# Altium PCB Pi4GPU_v1.PcbDoc (part 4 of 4)
Units mm, origin at the board's own origin, x right, y up, seen from the top; angles counter-clockwise.
Board outline 161.8 x 100 mm, 4 copper layers (L1 [TOP], L2, L3, L4 [BOT]), stack 1.548 mm thick; 285 components, 169 nets, 1067 pads, 1076 vias.
Unrouted connection lines stored in the file: 241.
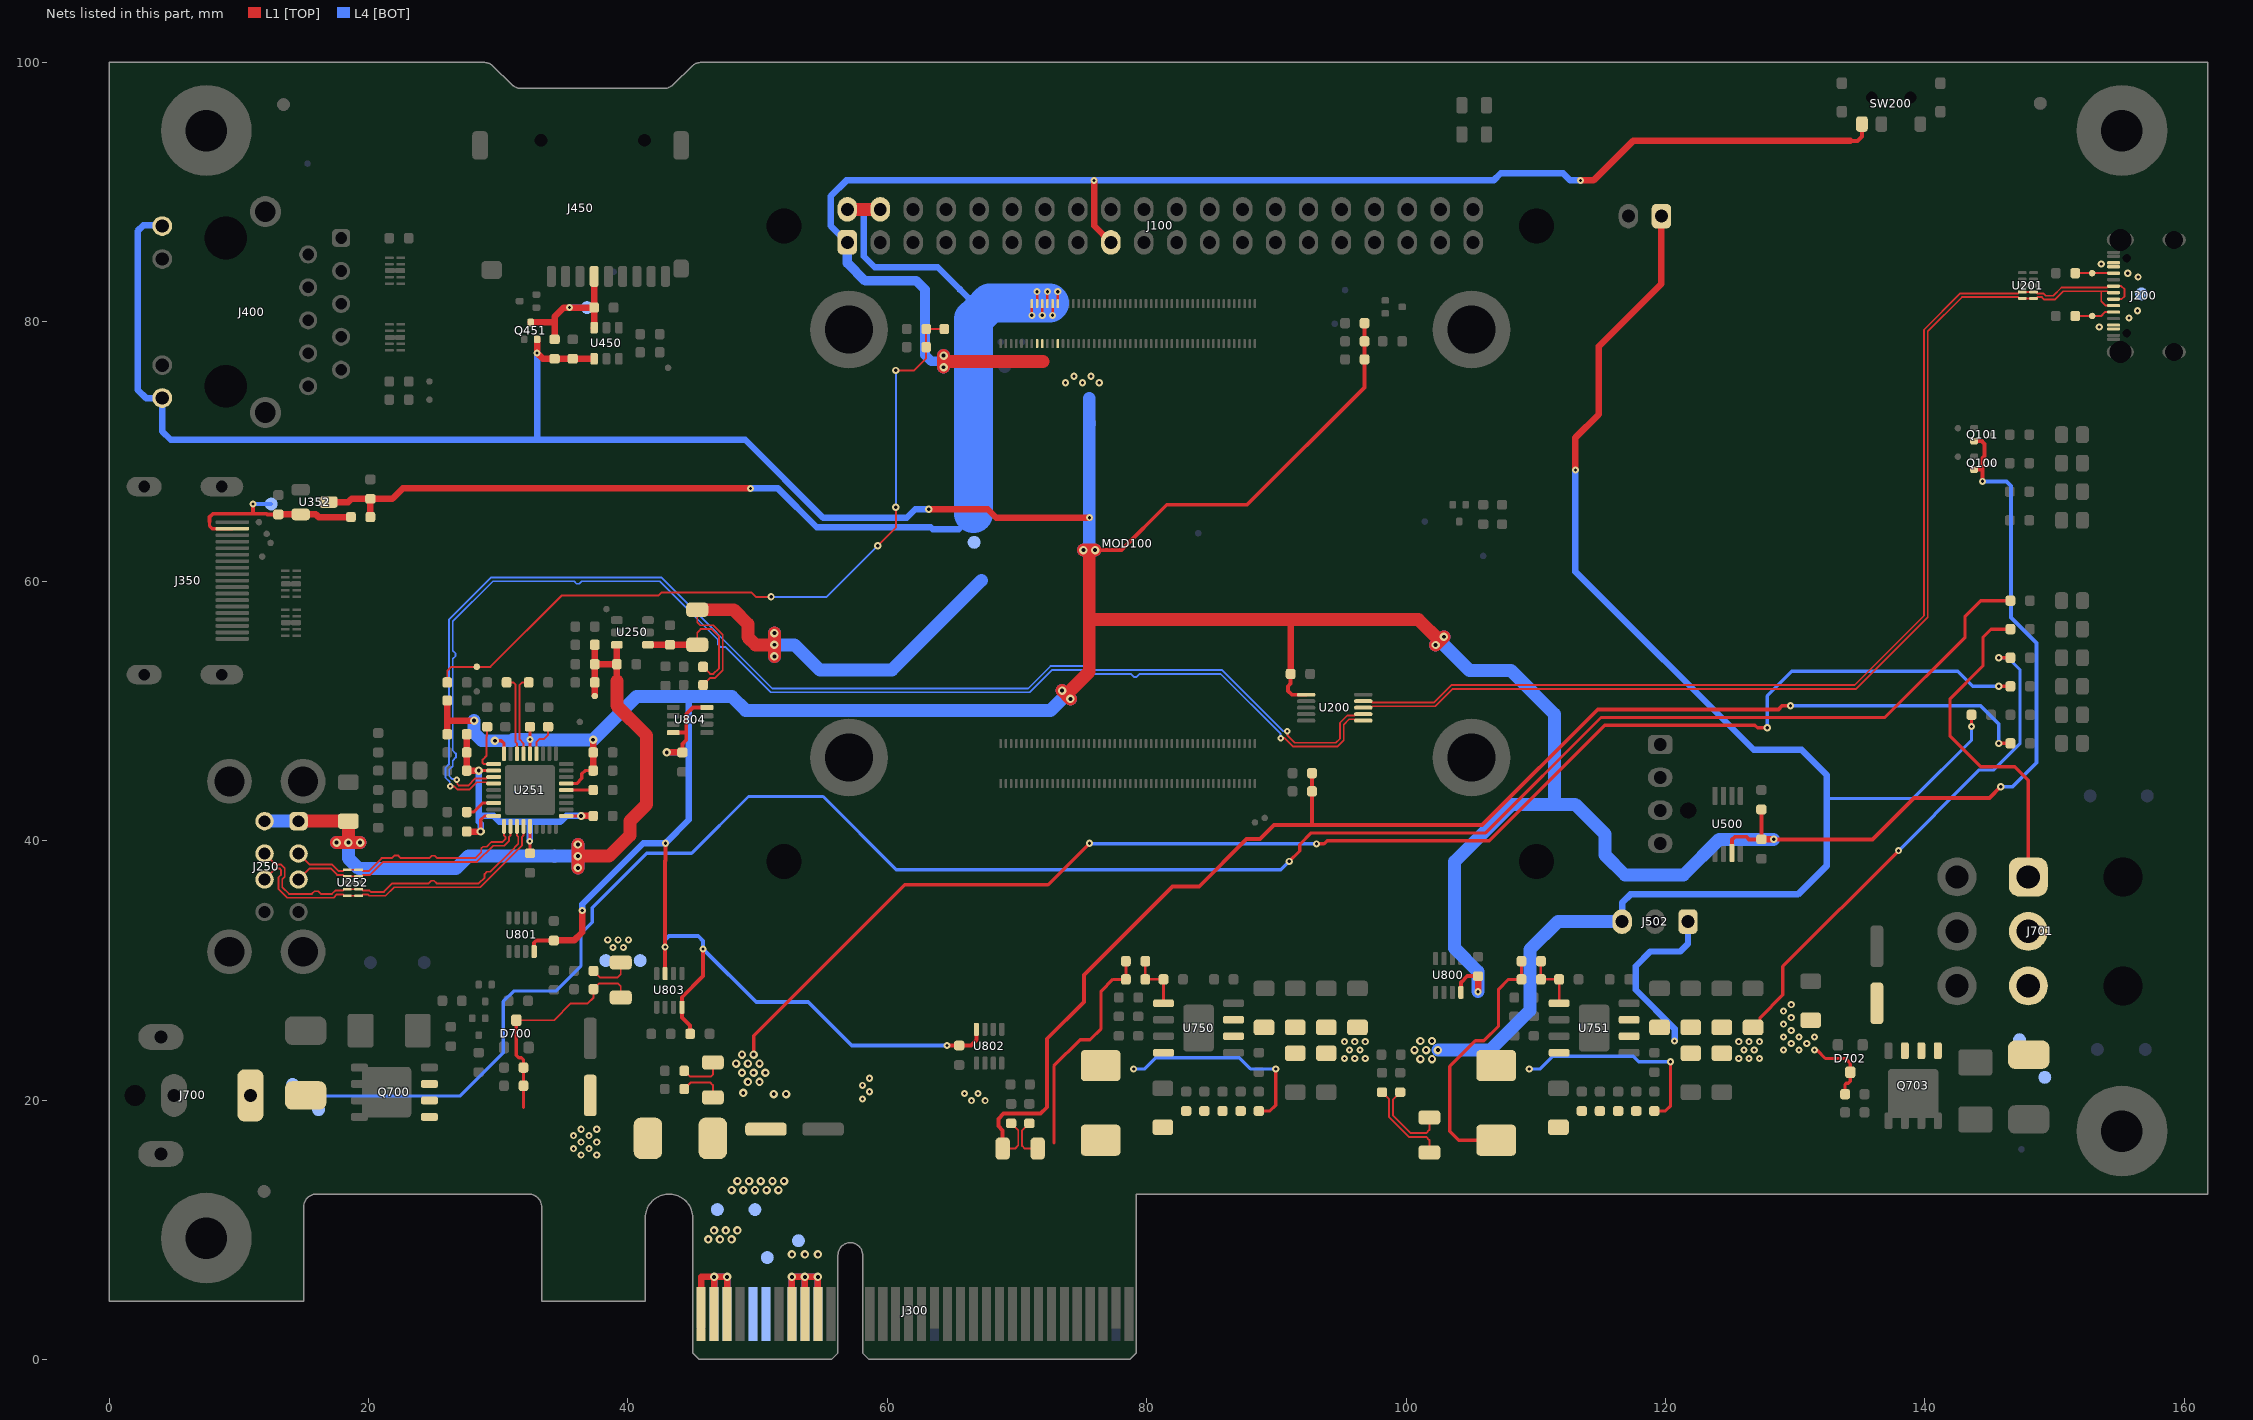
[diagram p6: the nets of this part, all layers, seen from the top]

## Via types
v1: diameter 0.55, hole 0.25, L1 [TOP] to L4 [BOT], 764 vias
v2: diameter 0.65, hole 0.3, L1 [TOP] to L4 [BOT], 174 vias
v3: diameter 0.5, hole 0.2, L1 [TOP] to L4 [BOT], 138 vias

## Nets (pads, with @x,y where several pads share a name; then routed paths per layer and width w, separated by ;. In a path a pad name is that pad's centre, name@x,y a point inside that pad or via, vN(x,y) a via of type N, cw(c..) or ccw(c..) an arc to the next point about the centre after c; other vN are vias at no path point) (continued)
PP3300: C200.2 C261.2 C262.2 C263.2 C450.2 C500.2 C802.2 C803.2 C806.2 C807.2 C809.2 F250.1 J100.1 J100.17 J400.11 J400.14 MOD100.78 MOD100.84 MOD100.86 Q100.2 Q101.2 Q451.2 R101.2 R102.2 R104.2 R257.2 R450.2 R500.2 SW200.3 TP108.1 TP112.1 U200.1 U251.15 U251.23 U251.27 U450.1 U500.3 U800.4 U801.4 U802.4 U803.4 U803.7 U804.4 U804.8 | length 585.1
  L1 [TOP] w0.25: v2(29.75,47.7) 30.25,47.7 30.45,47.5 U251.27@30.45,46.7 ; U251.23@32.45,46.7 v1(32.45,47.788) C262.2@32.45,48.775 ; U251.15@35.25,44.4 36.05,44.4 36.45,44.8 36.45,45.15 36.7,45.4 C263.2@37.325,45.4
  L1 [TOP] w0.3: U801.4@32.775,31.45 32.775,32.125 32.95,32.3 C803.2@34.3,32.3 ; U803.7@42.875,29.75 v1(42.875,31.8) 42.875,38.425 42.9,38.45 v1(42.9,39.8) ; U804.4@43.5,48.325 44.5,48.325 ; C809.2@44.2,46.8 44.2,47.45 44.5,47.75 44.5,48.325 ; C807.2@44.8,25.1 44.8,25.748 44.175,26.373 U803.4@44.175,27.15 44.175,27.925 45.8,29.55 v1(45.8,31.65) ; U804.8@46.1,50.275 45.025,50.275 44.5,49.75 44.5,48.325 ; v1(64.6,24.2) C806.2@65.55,24.2 66.45,24.2 66.875,24.625 U802.4@66.875,25.45 ; v2(76.025,62.4) 78.05,62.4 81.55,65.9 87.75,65.9 96.8,74.95 R104.2@96.8,77.1 R101.2@96.8,78.5 R102.2@96.8,79.9 ; C200.2@91.1,52.85 91.1,52.1 90.9,51.9 90.9,51.55 91.2,51.25 U200.1@92.3,51.25 ; U800.4@104.225,28.3 104.225,29.059 104.716,29.55 C802.2@105.55,29.55 ; U500.3@125.125,39.05 125.125,40.075 125.35,40.3 126.25,40.3 126.45,40.1 C500.2@127.4,40.1 R500.2@127.4,42.4 ; v1(128.35,40.1) 135.965,40.1 139.165,43.3 145,43.3 v1(145.85,44.15) ; 134.25,93.95 134.8,93.95 135.15,94.3 SW200.3@135.15,95.25 ; Q100.2@143.8,68.6 144.43,68.6 144.45,68.58 ; Q101.2@143.8,70.8 144.4,70.8 144.499,70.701 144.6,70.6 144.6,69.66 144.45,69.51 144.45,68.58 ; v1(144.45,67.7) 144.45,68.58
  L1 [TOP] w0.5: F250.1@26.075,48.2 26.075,49.25 ; R257.2@26.075,50.8 26.075,49.25 ; v2(28.15,49.25) 26.075,49.25 ; Q451.2@33,78.65 v1(33,77.6) 33.45,77.15 R450.2@34.35,77.15 C450.2@35.75,77.15 U450.1@37.4,77.15 ; C803.2@34.3,32.3 35.85,32.3 36.479,32.929 v1(36.479,34.617) ; C263.2@37.325,45.4 C261.2@37.325,46.8 v2(37.325,47.775) ; v2(43,46.8) C809.2@44.2,46.8 ; v1(63.2,65.55) 67.75,65.55 68.4,64.9 v1(75.6,64.9) ; v1(75.95,90.9) 75.95,87.415 J100.17@77.24,86.125 ; C200.2@91.1,52.85 91.1,57.05 ; v1(105.55,28.35) C802.2@105.55,29.55 ; v1(113.45,90.9) 114.45,90.9 117.5,93.95 134.25,93.95 ; C500.2@127.4,40.1 v1(128.35,40.1)
  L1 [TOP] w1: v2(64.35,76.5) v2(64.35,77.4) ; 64.35,76.95 72,76.95 ; v2(73.482,51.568) v2(74.118,50.932) ; 73.8,51.25 75.575,53.025 75.575,62.4 ; v2(75.125,62.4) v2(76.025,62.4) ; 75.6,57.05 91.1,57.05 100.95,57.05 102.6,55.4 ; v2(102.282,55.082) v2(102.918,55.718)
  L4 [BOT] w0.3: v1(42.875,31.8) 42.875,32.34 43.185,32.65 45.425,32.65 45.8,32.275 v1(45.8,31.65) 49.9,27.55 53.91,27.55 57.26,24.2 v1(64.6,24.2) ; v1(144.45,67.7) 146.3,67.7 146.65,67.35 146.65,57.2 148.6,55.25 148.6,46 146.75,44.15 v1(145.85,44.15)
  L4 [BOT] w0.5: J400.11@4.1,87.38 4.03,87.45 2.65,87.45 2.2,87 2.2,74.77 2.85,74.12 J400.14@4.1,74.12 4.1,71.55 4.75,70.9 33,70.9 ; v1(32.45,47.788) v1@32.463,47.775 ; v1(33,77.6) 33,70.9 ; v1(36.479,34.617) 36.479,35.084 41.195,39.8 v1(42.9,39.8) 44.7,41.6 44.7,46.8 ; v2(43,46.8) 44.7,46.8 ; 44.7,51.1 44.7,46.8 ; J100.1@56.92,86.125 55.65,87.395 55.65,89.7 56.85,90.9 v1(75.95,90.9) 106.75,90.9 107.3,91.45 112.104,91.45 112.654,90.9 v1(113.45,90.9) ; v1(63.2,65.55) 62.15,65.55 61.5,64.9 55.05,64.9 49.05,70.9 33,70.9 ; 75.575,74.075 75.6,74.1
  L4 [BOT] w0.75: J100.1@56.92,86.125 56.92,84.537 58.297,83.16 62.242,83.16 62.912,82.489 62.912,77.438 63.4,76.95 64.35,76.95
  L4 [BOT] w1: v2(28.15,49.25) 28.15,48.3 28.75,47.7 v2(29.75,47.7) 31.05,47.7 31.138,47.788 v1(32.45,47.788) ; v1@32.463,47.775 v2(37.325,47.775) 40.65,51.1 44.7,51.1 48.036,51.1 49.086,50.05 72.6,50.05 73.8,51.25 ; v2(64.35,76.5) v2(64.35,77.4) ; v2(73.482,51.568) v2(74.118,50.932) ; v2(75.125,62.4) v2(76.025,62.4) ; 75.575,62.4 TP108.1@75.575,68.237 TP112.1@75.575,72.187 75.575,74.075 ; v2(102.282,55.082) v2(102.918,55.718) ; 102.6,55.4 104.9,53.1 108.1,53.1 111.45,49.75 111.45,42.8 ; v1(105.55,28.35) 105.55,29.9 103.75,31.7 103.75,38.385 108.165,42.8 111.45,42.8 ; v1(128.35,40.1) 124.15,40.1 121.4,37.35 116.881,37.35 115.35,38.881 115.35,40.495 113.045,42.8 111.45,42.8
  other v1: 73.75,75.3 75.05,75.3 76.35,75.3 74.4,75.8 75.7,75.8
PP3300_AN: C256.2 C257.2 C258.2 C259.2 C260.2 F250.2 U251.5 U251.10 U251.29 U251.36 | length 26.7
  L1 [TOP] w0.25: v2(28.5,45.4) U251.29@29.65,45.4 ; v2(28.65,40.7) 28.65,41.604 28.946,41.9 U251.36@29.65,41.9 ; C259.2@32.45,39.025 U251.5@32.45,41.1 ; U251.10@35.25,41.9 v2(36.4,41.9)
  L1 [TOP] w0.5: C260.2@27.575,40.7 v2(28.65,40.7) ; F250.2@27.575,48.2 C256.2@27.575,46.8 C257.2@27.575,45.4 v2(28.5,45.4) ; v2(36.4,41.9) C258.2@37.325,41.9
  L4 [BOT] w0.5: v2(28.5,45.4) 28.5,41.9 ; v2(28.65,40.7) 28.65,41.3 28.5,41.45 28.5,41.9 ; v3(32.45,39.95) 32.45,41.45 ; v2(36.4,41.9) 35.25,41.9 34.8,41.45 32.45,41.45 ; 28.5,41.9 29.65,41.9 30.1,41.45 32.45,41.45
PP3300_PCIE: J300.A05 J300.A06 J300.A08 J300.A09 J300.A10 J300.B08 J300.B09 J300.B10 R300.1 R301.1 R751.2 R806.2 R809.2 TP752.1 TP754.1 | length 128.5
  L1 [TOP] w0.15: R806.2@68.9,16.25 69.85,16.25 70.1,16.5 70.1,17.65 R809.2@69.55,18.2
  L1 [TOP] w0.25: v1(145.7,47.5) R751.2@146.6,47.5
  L1 [TOP] w0.3: R806.2@68.9,16.25 68.9,17.649 68.566,17.983 68.566,18.547 68.969,18.95 71.83,18.95 72.319,19.44 72.319,24.726 75.158,27.564 75.158,29.626 82.001,36.469 84.053,36.469 87.703,40.12 88.727,40.12 89.807,41.2 92.75,41.2 ; R301.1@92.75,45.2 R300.1@92.75,43.8 92.75,41.2 ; v1(129.65,50.4) 129,50.4 128.718,50.118 114.783,50.118 105.864,41.2 92.75,41.2
  L1 [TOP] w0.5: J300.B08@52.65,3.5 v2(52.65,6.365) v2(53.65,6.365) ; J300.B09@53.65,3.5 v2(53.65,6.365) ; J300.B10@54.65,3.5 v2(54.65,6.365) v2(53.65,6.365)
  L4 [BOT] w0.3: v1(129.65,50.4) 144.3,50.4 145.7,49 v1(145.7,47.5)
  L4 [BOT] w0.5: J300.A08@52.65,3.5 v2(52.65,6.365) v2(53.65,6.365) ; J300.A09@53.65,3.5 v2(53.65,6.365) ; J300.A10@54.65,3.5 v2(54.65,6.365) v2(53.65,6.365)
  other v1: 66.5,19.95 67.55,19.95 58.085,20.082 65.95,20.5 67,20.5 58.635,20.632 58.085,21.132 58.635,21.682
  other v2: 52.65,8.1 53.65,8.1 54.65,8.1
PP3300_PCIE_FB: C754.1 R752.1 R754.2 U750.5 | length 4.6
  L1 [TOP] w0.2: C754.1@79.9,30.7 R752.1@79.9,29.3 R754.2@81.3,29.3 U750.5@81.3,27.455
PP3300_PCIE_R: C754.2 C755.2 C756.2 C757.2 C758.2 C759.2 L750.2 R752.2 R806.1 R808.2 | length 20.6
  L1 [TOP] w0.15: R808.2@70.95,18.2 70.4,17.65 70.4,16.467 70.617,16.25 R806.1@71.6,16.25
  L1 [TOP] w0.25: 72.85,16.7 72.85,22.627 74.875,24.652 75.632,24.652 76.485,25.505 76.485,28.385 77.4,29.3 R752.2@78.4,29.3 C754.2@78.4,30.7
PP3300_PCIE_SW: L750.1 R750.2 U750.8 | length 15.9
  L1 [TOP] w0.25: R750.2@88.65,19.15 89.5,19.15 89.95,19.6 v1(89.95,22.4)
  L4 [BOT] w0.25: v1(79,22.4) 79.85,22.4 80.7,23.25 87.15,23.25 88,22.4 v1(89.95,22.4)
PP3300_SD: C451.2 J450.4 Q451.3 R450.1 TP451.1 U450.6 | length 12.3
  L1 [TOP] w0.5: Q451.3@32.5,79.95 34.3,79.95 34.35,79.9 ; R450.1@34.35,78.65 34.35,79.9 ; U450.6@37.35,79.5 U450.6@37.4,79.55 C451.2@37.4,81.1 ; J450.4@37.4,83.5 C451.2@37.4,81.1 ; 34.35,79.9 34.35,80.4 35.05,81.1 C451.2@37.4,81.1
  L4 [BOT] w0.5: v1(35.5,81.1) TP451.1@36.85,81.1
PP5000: C350.2 J100.2 J100.4 J500.1 J502.3 MOD100.77 MOD100.79 MOD100.81 MOD100.83 MOD100.85 MOD100.87 R350.2 R756.2 R800.2 R803.2 R812.1 R813.2 TP107.1 TP750.1 TP751.1 U352.3 | length 261
  L1 [TOP] w0.15: R812.1@45.35,57.8 45.35,56.85 45.596,56.604 46.596,56.604 47.317,55.883 47.317,53.142 46.724,52.55 46.35,52.55 R813.2@45.8,52 ; R803.2@99.55,20.6 99,20.05 99,18.8 100.35,17.45 101.549,17.45 101.8,17.701 R800.2@101.8,18.65
  L1 [TOP] w0.2: v1(71.15,80.5) MOD100.87@71.15,81.4 ; MOD100.85@71.55,81.4 v1(71.55,82.325) v1@71.55,82.35 ; v1(71.95,80.5) MOD100.83@71.95,81.4 ; MOD100.81@72.35,81.4 v1(72.35,82.325) v1@72.35,82.35 ; v1(72.75,80.5) MOD100.79@72.75,81.4 ; MOD100.77@73.15,81.4 v1(73.15,82.325) v1@73.15,82.35
  L1 [TOP] w0.25: v1(143.6,48.8) R756.2@143.6,49.7
  L1 [TOP] w0.5: U352.3@16.925,66.1 18.45,66.1 18.7,66.35 C350.2@20.15,66.35 ; R350.2@20.15,64.95 C350.2@20.15,66.35 ; v1(49.45,67.15) 22.65,67.15 21.85,66.35 C350.2@20.15,66.35 ; v1(113.064,68.583) 113.064,71.077 114.85,72.863 114.85,78.1 119.69,82.94 J500.1@119.69,88.15
  L1 [TOP] w1: R812.1@45.35,57.8 48.154,57.8 49.251,56.703 49.251,55.686 49.837,55.1 v2(51.3,55.1) ; v2(51.3,54.2) v2(51.3,55.1) ; v2(51.3,56) v2(51.3,55.1) ; J100.2@56.92,88.675 J100.4@59.46,88.675
  L4 [BOT] w0.25: 132.45,43.25 139.123,43.25 143.6,47.727 v1(143.6,48.8)
  L4 [BOT] w0.5: v1(49.45,67.15) 51.576,67.15 54.556,64.17 63.35,64.17 63.52,64 65.5,64 ; 58.19,88.675 58.19,85.055 59.041,84.204 63.903,84.204 TP107.1@65.591,82.516 67.279,80.829 ; v1(113.064,68.583) 113.064,60.736 126.8,47 130.5,47 132.45,45.05 132.45,43.25 132.45,38.08 130.22,35.85 117.3,35.85 116.66,35.21 J502.3@116.66,33.75
  L4 [BOT] w1: v2(51.3,54.2) v2(51.3,55.1) ; v2(51.3,56) v2(51.3,55.1) ; J100.2@56.92,88.675 58.19,88.675 J100.4@59.46,88.675 ; 67.25,60.05 60.35,53.15 54.8,53.15 52.85,55.1 v2(51.3,55.1) ; v2(102.45,23.85) 106.5,23.85 109.55,26.9 109.55,31.6 111.7,33.75 J502.3@116.66,33.75
  L4 [BOT] w3: 66.657,65.2 66.657,80.207 67.279,80.829 67.9,81.45 71.9,81.45 72.5,81.45
  other v2: 101.1,23.15 102,23.15 100.65,23.85 101.55,23.85 101.1,24.55 102,24.55
PP5000_FB: C770.1 R757.1 R760.2 U751.5 | length 4.6
  L1 [TOP] w0.2: C770.1@110.4,30.7 R757.1@110.4,29.3 R760.2@111.8,29.3 U751.5@111.8,27.455
PP5000_HDMI: C351.2 J350.18 R350.1 TP354.1 U352.2 | length 15.8
  L1 [TOP] w0.25: 7.75,64.6 7.75,64.25 7.95,64.05 J350.18@9.5,64.05
  L1 [TOP] w0.3: 7.75,64.6 7.75,64.941 8.009,65.2 11.1,65.2 ; v1(11.1,65.95) 11.1,65.2 ; C351.2@13.05,65.15 12.2,65.15 12.15,65.2 11.1,65.2
  L1 [TOP] w0.5: C351.2@13.05,65.15 U352.2@14.775,65.15 15.95,65.15 16.15,64.95 R350.1@18.65,64.95
  L4 [BOT] w0.3: v1(11.1,65.95) TP354.1@12.5,65.95
PP5000_HUB_R: C250.2 R812.2 R814.2 U250.1 | length 10.9
  L1 [TOP] w0.15: R812.2@45.35,55.1 45.35,56.043 45.612,56.304 46.471,56.304 47.017,55.759 47.017,53.267 46.6,52.85 46.35,52.85 R814.2@45.8,53.4
  L1 [TOP] w0.5: U250.1@41.55,55.1 C250.2@43.25,55.1 R812.2@45.35,55.1
PP5000_R: C770.2 C771.2 C772.2 C773.2 C774.2 C775.2 L751.2 R757.2 R800.1 R802.2 | length 27.2
  L1 [TOP] w0.15: R802.2@98.15,20.6 98.7,20.05 98.7,18.676 100.226,17.15 101.55,17.15 101.8,16.9 R800.1@101.8,15.95
  L1 [TOP] w0.25: L751.2@106.95,16.9 104.05,16.9 103.371,17.579 103.371,22.587 105.353,24.569 105.999,24.569 107.136,25.707 107.136,28.536 107.9,29.3 R757.2@108.9,29.3 C770.2@108.9,30.7
PP5000_SW: L751.1 R755.2 U751.8 | length 16.3
  L1 [TOP] w0.25: R755.2@119.15,19.15 120,19.15 120.4,19.55 v1(120.4,22.95)
  L4 [BOT] w0.25: v1(109.5,22.4) 110.35,22.4 111.316,23.366 117.534,23.366 117.95,22.95 v1(120.4,22.95)
PP5000_USBC: J200.A4 J200.A9 J200.B4 J200.B9 TP204.1
  other v1: 153.45,79.6 155.75,80.3 156.4,80.85 156.45,83.45 155.65,83.75 153.6,84.45
PP5000_VBUS: C251.2 C252.2 C253.2 C254.2 C255.2 J250.1 J250.5 TP251.1 TP254.1 U250.6 | length 61.5
  L1 [TOP] w0.5: TP251.1@37.45,51.15 C253.2@37.45,52.2 C255.2@37.45,53.6 ; C252.2@37.45,55.1 C255.2@37.45,53.6 ; 39.15,52.3 C254.2@39.15,53.6 ; U250.6@39.15,55.1 C254.2@39.15,53.6 ; C255.2@37.45,53.6 C254.2@39.15,53.6
  L1 [TOP] w1: J250.1@14.61,41.5 C251.2@18.45,41.5 v2(18.45,39.85) ; v2(17.55,39.85) v2(18.45,39.85) ; v2(19.35,39.85) v2(18.45,39.85) ; v2(36.15,37.9) v2(36.15,38.8) ; v2(36.15,39.7) v2(36.15,38.8) ; 39.15,52.3 39.15,50.4 41.45,48.1 41.45,42.8 40.15,41.5 40.15,40.4 38.55,38.8 v2(36.15,38.8)
  L4 [BOT] w1: J250.5@11.99,41.5 J250.1@14.61,41.5 ; v2(17.55,39.85) v2(18.45,39.85) ; v2(19.35,39.85) v2(18.45,39.85) ; v2(36.15,37.9) v2(36.15,38.8) ; v2(36.15,39.7) v2(36.15,38.8) ; v2(18.45,39.85) 18.45,38.639 19.255,37.834 26.734,37.834 27.7,38.8 TP254.1@34.35,38.8 v2(36.15,38.8)
PP12000H_IN1: FUS700.1 J700.1 R706.2 TP704.1 TP705.1 | length 157.3
  L1 [TOP] w0.25: v1(91,38.4) 91.8,39.2 91.8,39.7 92.691,40.591 106.13,40.591 115.032,49.492 136.925,49.492 143.105,55.672 143.105,57.305 144.3,58.5 R706.2@146.6,58.5
  L4 [BOT] w0.25: 15.5,20.3 27.05,20.3 30.4,23.65 30.4,27.6 31.2,28.4 34.455,28.4 36.384,30.329 36.384,32.827 37.263,33.705 37.263,34.829 41.45,39.016 44.916,39.016 49.3,43.4 55.05,43.4 60.7,37.75 90.35,37.75 v1(91,38.4)
PP12000H_IN2: FUS701.1 J701.1 J701.2 J701.3 R707.2 TP706.1 TP707.1 | length 25.9
  L1 [TOP] w0.25: R707.2@146.6,56.3 145.1,56.3 144.485,55.685 144.485,53.476 141.95,50.941 141.95,48.05 144.3,45.7 146.93,45.7 147.982,44.648 J701.1@147.982,37.2
PP12000H_PCIE: C705.2 J300.A02 J300.A03 J300.B01 J300.B02 J300.B03 R701.2 R807.2 R811.2 TP710.1 TP711.1 | length 132.8
  L1 [TOP] w0.15: R811.2@44.35,22.25 44.8,21.8 46.393,21.8 46.55,21.957 R807.2@46.55,22.9
  L1 [TOP] w0.25: v2(49.7,23.5) 49.7,24.95 61.35,36.6 72.4,36.6 v1(75.6,39.8) ; v1(93.1,39.75) 93.677,39.75 93.919,39.992 106.412,39.992 115.32,48.9 126.9,48.9 127.1,48.7 v1(127.85,48.7) ; v1(145.7,51.9) R701.2@146.6,51.9
  L1 [TOP] w0.5: J300.B01@45.65,3.5 45.65,6.365 v2(46.65,6.365) ; J300.B02@46.65,3.5 v2(46.65,6.365) ; J300.B03@47.65,3.5 v2(47.65,6.365) v2(46.65,6.365)
  L4 [BOT] w0.25: v1(75.6,39.8) 75.65,39.75 v1(93.1,39.75) ; v1(127.85,48.7) 127.85,51.159 129.741,53.05 142.55,53.05 143.7,51.9 v1(145.7,51.9)
  L4 [BOT] w0.5: J300.A02@46.65,3.5 v2(46.65,6.365) v2(47.65,6.365) J300.A03@47.65,3.5
  other v2: 46.2,9.25 47.1,9.25 48,9.25 46.65,9.95 47.55,9.95 48.45,9.95 48,13.05 48.9,13.05 49.8,13.05 50.7,13.05 51.6,13.05 48.45,13.75 49.35,13.75 50.25,13.75 51.15,13.75 52.05,13.75 51.25,20.45 52.2,20.45 48.9,20.55 49.25,21.4 50.15,21.4 48.8,22.1 49.7,22.1 50.6,22.1 48.35,22.8 49.25,22.8 50.15,22.8 48.8,23.5
PP12000H_PCIE_R: FUS702.2 R807.1 R810.2 | length 3.4
  L1 [TOP] w0.15: R810.2@44.35,20.85 44.85,21.35 46.35,21.35 46.55,21.15 R807.1@46.55,20.2
PP12000H_SYS: C751.2 C752.2 C753.2 C761.2 C762.2 C763.2 C767.2 C768.2 C769.2 C777.2 C778.2 C779.2 J502.1 R700.2 R801.2 R805.2 TP708.1 TP709.1 U750.2 U750.3 U751.2 U751.3 | length 56.5
  L1 [TOP] w0.15: R805.2@37.35,29.95 37.85,29.45 39.221,29.45 39.45,29.679 R801.2@39.45,30.6
  L1 [TOP] w0.25: C777.2@126.75,25.6 126.829,25.6 127.295,26.066 127.295,26.345 129.05,28.1 129.05,30.3 v1(137.975,39.225) ; v1(145.7,54.1) R700.2@146.6,54.1
  L4 [BOT] w0.25: v1(137.975,39.225) 143.547,44.797 144.2,45.45 145.316,45.45 147.335,47.468 147.335,53.193 146.428,54.1 v1(145.7,54.1)
  L4 [BOT] w0.5: v1(120.7,24.55) 120.7,25.5 117.706,28.494 117.706,30.321 118.834,31.45 121.15,31.45 121.74,32.04 J502.1@121.74,33.75
  other v1: 95.25,23.2 96.05,23.2 96.85,23.2 125.65,23.2 126.45,23.2 127.25,23.2 95.65,23.85 96.45,23.85 126.05,23.85 126.85,23.85 95.25,24.5 96.05,24.5 96.85,24.5 125.65,24.5 126.45,24.5 127.25,24.5 38.85,31.75 39.65,31.75 38.45,32.35 39.25,32.35 40.05,32.35
PP12000H_SYS_R: C700.2 C701.2 C702.2 C703.2 C704.2 D700.3 D702.3 FUS702.1 Q700.1 Q700.2 Q700.3 Q703.1 Q703.2 Q703.3 R702.2 R801.1 R804.2 | length 23.4
  L1 [TOP] w0.15: D700.3@31.4,26.15 34.307,26.15 35.606,27.449 36.898,27.449 37.35,27.901 R804.2@37.35,28.55 37.8,29 39.211,29 39.45,28.761 R801.1@39.45,27.9
  L1 [TOP] w0.25: D700.3@31.4,26.15 31.4,23.45 31.6,23.25 31.797,23.25 31.95,23.097 C700.2@31.95,22.5 R702.2@31.95,21.1 31.95,19.45 ; v1(131.5,23.85) 131.557,23.793 131.741,23.793 132.334,23.2 133.9,23.2 134.25,22.85 D702.3@134.25,22.15 134.25,21.45 134.095,21.295 133.945,21.295 133.85,21.2 C702.2@133.85,20.45
  other v1: 36.4,15.75 37.6,15.75 35.8,16.25 37,16.25 36.4,16.75 37.6,16.75 35.8,17.25 37,17.25 36.4,17.75 37.6,17.75 129.1,23.85 130.3,23.85 129.7,24.35 130.9,24.35 129.1,24.85 130.3,24.85 131.5,24.85 129.7,25.35 129.1,25.85 129.7,26.35 129.1,26.85 129.7,27.35
PP_CRFIL: C265.2 U251.14 | length 2.1
  L1 [TOP] w0.25: U251.14@35.25,43.9 C265.2@37.325,43.9
PP_PLLFIL: C264.2 U251.34 | length 2.4
  L1 [TOP] w0.25: C264.2@27.575,42.2 28.1,42.2 28.8,42.9 U251.34@29.65,42.9
SYS_nRST: C100.2 R100.2 R103.2 R258.2 TP103.1 | length 58.8
  L1 [TOP] w0.15: R258.2@26.075,52.2 26.075,53.083 26.386,53.393 28.35,53.393 29.393,53.393 34.883,58.883 42.338,58.883 42.581,59.126 49.549,59.126 49.875,58.8 v1(51.05,58.8) ; v1(59.265,62.736) 60.658,64.129 v1(60.658,65.7) ; v1(60.658,76.258) 62.08,76.258 63,77.178 C100.2@63,78.05 R103.2@63,79.45 R100.2@64.4,79.45
  L4 [BOT] w0.15: v1(51.05,58.8) 55.328,58.8 v1(59.265,62.736) ; v1(60.658,65.7) v1(60.658,76.258)
USB1_N: J250.2 U251.1 U252.1 U252.10 | length 19.1
  L1 [TOP] w0.141: J250.2@14.61,39 15.463,38.147 17.203,38.147 17.703,37.647 18.022,37.647 18.125,37.75 U252.1@18.363,37.75 U252.10@19.238,37.75 19.475,37.75 19.579,37.647 20.013,37.647 21.016,38.65 21.8,38.65 21.997,38.847 22.303,38.847 22.5,38.65 24.7,38.65 24.888,38.838 25.103,38.838 25.291,38.65 28.236,38.65 28.7,39.114 28.7,39.4 28.832,39.532 29.118,39.532 29.486,39.9 30.35,39.9 30.553,40.103 30.553,40.297 30.45,40.4 U251.1@30.45,41.1
USB1_P: J250.3 U251.2 U252.2 U252.9 | length 19.1
  L1 [TOP] w0.141: J250.3@14.61,37 15.463,37.854 17.082,37.854 17.582,37.354 18.022,37.354 18.125,37.25 U252.2@18.363,37.25 U252.9@19.238,37.25 19.475,37.25 19.579,37.353 20.134,37.353 21.137,38.357 28.357,38.357 29.607,39.607 30.472,39.607 30.846,39.982 ; 30.847,39.982 30.847,40.297 30.95,40.4 U251.2@30.95,41.1
USB2_N: J250.6 U251.3 U252.4 U252.7 | length 25.6
  L1 [TOP] w0.141: J250.6@11.99,39 12.843,38.147 13.271,38.147 13.543,37.875 13.543,37.229 13.35,37.036 13.35,36.414 13.871,35.893 15.642,35.893 15.84,36.091 16.126,36.091 16.324,35.893 17.188,35.893 17.441,36.147 18.022,36.147 18.125,36.25 U252.4@18.363,36.25 U252.7@19.238,36.25 19.475,36.25 19.579,36.147 20.08,36.147 20.184,36.043 21.193,36.043 21.85,36.7 24.65,36.7 24.85,36.9 25.052,36.9 25.252,36.7 28.5,36.7 28.95,37.15 28.95,37.415 29.129,37.593 29.394,37.593 30.957,39.156 31.553,39.753 31.553,40.297 31.45,40.4 U251.3@31.45,41.1
USB2_P: J250.7 U251.4 U252.5 U252.6 | length 25.6
  L1 [TOP] w0.141: J250.7@11.99,37 12.843,37.854 13.15,37.854 13.25,37.754 13.25,37.35 13.057,37.157 13.057,36.293 13.75,35.6 17.309,35.6 17.563,35.854 18.022,35.854 18.125,35.75 U252.5@18.363,35.75 U252.6@19.238,35.75 19.475,35.75 19.579,35.854 19.959,35.854 20.063,35.75 21.314,35.75 21.971,36.407 28.622,36.407 31.25,39.035 31.847,39.632 31.847,40.297 31.95,40.4 U251.4@31.95,41.1
USB-C_D_N: J200.A7 J200.B7 U200.8 U201.1 U201.10 | length 86.2
  L1 [TOP] w0.141: U200.8@96.7,50.25 97.273,50.25 97.376,50.354 102.268,50.354 103.611,51.697 134.697,51.697 140.231,57.231 140.231,79.267 142.868,81.903 147.172,81.903 147.275,81.8 U201.10@147.512,81.8 U201.1@148.387,81.8 148.562,81.8 148.666,81.903 149.024,81.903 149.212,81.716 150.022,81.716 150.659,82.353 153.6,82.353 ; J200.B7@154.55,81.25 153.937,81.25 153.6,81.587 153.6,82.353 ; J200.A7@154.55,82.25 154.162,82.25 154.059,82.353 153.6,82.353
USB-C_D_P: J200.A6 J200.B6 U200.9 U201.2 U201.9 | length 86.8
  L1 [TOP] w0.141: U200.9@96.7,50.75 97.273,50.75 97.376,50.647 102.147,50.647 103.49,51.99 134.576,51.99 139.938,57.352 139.938,79.388 142.746,82.196 142.867,82.196 ; 142.867,82.197 147.172,82.197 147.275,82.3 U201.9@147.512,82.3 U201.2@148.387,82.3 148.562,82.3 148.666,82.197 149.146,82.197 149.334,82.009 149.9,82.009 150.538,82.647 154.059,82.647 154.162,82.75 155.149,82.75 155.4,82.499 155.4,81.985 155.166,81.75 J200.A6@154.55,81.75
USB-H_N: U200.6 U251.30 | length 97.2
  L1 [TOP] w0.141: v3(26.8,44.7) 26.842,44.658 26.842,44.371 26.924,44.288 26.969,44.243 27.678,44.243 28.232,44.797 28.863,44.797 29.099,44.797 29.202,44.9 U251.30@29.65,44.9 ; v3(90.328,47.9) 90.651,47.9 ; 90.648,47.902 91.301,47.25 94.707,47.25 95.2,47.743 95.2,48.95 95.603,49.354 96.024,49.354 96.127,49.25 U200.6@96.7,49.25
  L4 [BOT] w0.141: v3(26.8,44.7) 26.758,44.742 26.471,44.742 26.231,44.981 26.231,45.481 26.5,45.75 26.5,46.17 26.745,46.415 26.745,46.705 26.5,46.95 26.5,54.015 26.721,54.235 26.721,54.429 26.5,54.65 26.5,56.9 29.6,60 35.85,60 36.04,59.81 36.265,59.81 36.454,60 42.45,60 46.95,55.5 46.95,55.101 47.114,54.937 47.513,54.937 51.015,51.435 70.983,51.435 72.706,53.158 75.327,53.158 75.628,52.857 78.765,52.857 79.001,52.621 79.226,52.621 79.462,52.857 85.694,52.857 90.328,48.223 v3(90.328,47.9)
USB-H_P: U200.7 U251.31 | length 97.2
  L1 [TOP] w0.141: v3(26.305,44.205) 26.347,44.163 26.634,44.163 26.803,43.995 26.848,43.95 27.8,43.95 28.353,44.503 28.742,44.503 29.099,44.503 29.202,44.4 U251.31@29.65,44.4 ; v3(90.856,48.433) 90.856,48.11 91.422,47.543 94.586,47.543 94.907,47.864 94.907,49.071 95.482,49.647 96.024,49.647 96.127,49.75 U200.7@96.7,49.75
  L4 [BOT] w0.141: v3(26.305,44.205) 26.263,44.247 26.263,44.534 25.938,44.86 25.938,45.603 26.207,45.872 26.207,57.022 29.478,60.293 42.572,60.293 51.136,51.729 70.862,51.729 72.584,53.452 75.448,53.452 75.75,53.15 85.815,53.15 90.533,48.433 v3(90.856,48.433)
USB_CC1: J200.A5 R202.1 TP202.1 | length 3.1
  L1 [TOP] w0.15: R202.1@151.6,80.45 153.59,80.45 153.89,80.75 J200.A5@154.55,80.75
USB_CC2: J200.B5 R201.1 TP203.1 | length 3
  L1 [TOP] w0.15: R201.1@151.6,83.75 J200.B5@154.55,83.75
USB_CFG0: R253.2 U251.24 | length 6.2
  L1 [TOP] w0.15: U251.24@31.95,46.7 31.95,47.5 31.65,47.8 31.65,52 31.85,52.2 R253.2@32.35,52.2
USB_CFG1: R254.2 U251.25 | length 6.1
  L1 [TOP] w0.15: R254.2@30.65,52.2 31.15,52.2 31.35,52 31.35,47.6 31.45,47.5 U251.25@31.45,46.7
USB_REM0: R255.2 U251.28 | length 3.8
  L1 [TOP] w0.15: R255.2@29.15,48.775 29.15,48.1 29.1,48.05 29.1,46.55 28.8,46.25 28.8,46 28.9,45.9 U251.28@29.65,45.9
USB_REM1: R252.2 U251.22 | length 2.7
  L1 [TOP] w0.15: U251.22@32.95,46.7 32.95,47.6 33.2,47.85 33.55,47.85 33.85,48.15 R252.2@33.85,48.775
pads on no net: D700.2 D702.2 FID900.0 FID901.0 FID902.0 FID903.0 FID904.0 FID905.0 J101.SMD J102.SMD J200.A8 J200.B8 J200.MH1 J200.MH2 J300.A01 J300.A07 J300.A19 J300.A21 J300.A22 J300.A25 J300.A26 J300.A29 J300.A30 J300.A32 J300.B05 J300.B06 J300.B11 J300.B17 J300.B19 J300.B20 J300.B23 J300.B24 J300.B27 J300.B28 J300.B30 J300.B31 J350.14 J400.MH1 J400.MH2 J450.9 J450.MH J501.MH J700.MH J700.SH J701.6 J701.MH MECH900.1 MECH901.1 MECH902.1 MECH903.1 MH900.0 MH901.0 MH902.0 MH903.0 MOD100.16 MOD100.18 MOD100.19 MOD100.20 MOD100.64 MOD100.68 MOD100.70 MOD100.72 MOD100.73 MOD100.76 MOD100.80 MOD100.82 MOD100.89 MOD100.91 MOD100.92 MOD100.94 MOD100.96 MOD100.97 MOD100.99 MOD100.104 MOD100.106 MOD100.111 MOD100.115 MOD100.117 MOD100.121 MOD100.123 MOD100.127 MOD100.128 MOD100.129 MOD100.130 MOD100.133 MOD100.134 MOD100.135 MOD100.136 MOD100.139 MOD100.140 MOD100.141 MOD100.142 MOD100.143 MOD100.145 MOD100.146 MOD100.147 MOD100.148 MOD100.149 MOD100.152 MOD100.154 MOD100.157 MOD100.158 MOD100.159 MOD100.160 MOD100.163 MOD100.164 MOD100.165 MOD100.166 MOD100.169 MOD100.171 MOD100.175 MOD100.177 MOD100.181 MOD100.183 MOD100.187 MOD100.189 MOD100.193 MOD100.194 MOD100.195 MOD100.196 R900.1 R900.2 R901.1 R901.2 SW200.1 SW200.MH1 U201.4 U201.5 U201.6 U201.7 U251.6 U251.7 U251.8 U251.9 U251.11 U251.16 U251.18 U251.19 U251.20 U251.21 U450.4 U500.7 U500.8

## Polygon pours and split planes (outlines as drawn)
GND on L1 [TOP] "L1_GND" (solid, remove dead copper, pour order 85): 45,0 45,5.6 79.2,5.6 79.2,0 161.8,0 161.8,100 0,100 0,0
PP12000H_PCIE on L1 [TOP] "L1_PP12000H_PCIE" (solid, remove dead copper, pour order 80): 48.15,1.55 48,1.4 45.3,1.4 45.15,1.55 45.15,6.05 45.15,11.65 48.35,14.85 48.35,21.6 47.8,22.15 45.7,22.15 45.4,22.45 45.4,23.7 45.75,24.05 50.2,24.05 52.8,21.45 52.8,13.1 48.15,8.45
PP1800 on L1 [TOP] "L1_PP1800" (solid, remove dead copper, pour order 69): 71.348,78.02 71.179,77.85 70.7,77.85 70.55,78 70.55,79.5 70.75,79.7 71.1,79.7 71.348,79.452
PP5000_R on L1 [TOP] "L1_PP5000_R" (solid, remove dead copper, pour order 58): 118.129,19.75 118.405,19.475 118.405,17.255 117.2,16.05 110.95,16.05 110.2,15.3 100.9,15.3 100.7,15.5 100.7,16.45 100.9,16.65 102.65,16.65 103.1,17.1 103.1,18.3 103.246,18.446 105.246,18.446 110.75,18.45 112.05,19.75
PP5000_USBC on L1 [TOP] "L1_PP5000_USBC" (solid, remove dead copper, pour order 77): 155.1,80 155.3,80.2 155.3,80.95 156,81.65 156,82.6 155.2,83.4 155.2,83.85 155.05,84 153.5,84 153.2,84.3 153.2,84.6 153.45,84.85 155.8,84.85 157.55,83.1 157.55,81 155.75,79.2 153.3,79.2 153.05,79.45 153.05,79.75 153.3,80
PP3300_PCIE on L1 [TOP] "L1_PP3300_PCIE" (solid, remove dead copper, pour order 81): 58.9,22.1 59.1,21.9 59.1,13.65 55.15,9.7 55.15,1.55 55,1.4 52.3,1.4 52.15,1.55 52.15,11 57.4,16.25 57.4,21.7 57.8,22.1
PP3300_PCIE on L1 [TOP] "L1_PP3300_PCIE" (solid, remove dead copper, pour order 76): 67.55,20.95 68.1,20.4 68.1,19.1 67.95,18.95 67.95,17.65 68.25,17.35 69.3,17.35 69.65,17 69.65,15.55 69.35,15.25 67.05,15.25 65.7,16.6 65.7,19.05 65.3,19.45 65.3,20.55 65.7,20.95
PP12000H_PCIE_R on L1 [TOP] "L1_PP12000H_PCIE_R" (solid, remove dead copper, pour order 75): 47.45,20.95 47.95,20.45 47.95,15.6 47.45,15.1 45.65,15.1 45.15,15.6 45.15,20.5 45.6,20.95
PP12000H_SYS on L1 [TOP] "L1_PP12000H_SYS" (solid, remove dead copper, pour order 72): 40.25,29.9 40.55,30.2 40.55,32.6 40.15,33 38.4,33 37.85,32.45 37.85,31 38.15,30.7 38.15,30.25 38.5,29.9
PP12000H_SYS_R on L1 [TOP] "L1_PP12000H_SYS_R" (solid, remove dead copper, pour order 49): 137.2,29.55 138.45,29.55 140.1,27.9 140.1,26.65 141.8,24.95 141.8,23.25 141.4,22.85 138.1,22.85 137.8,23.15 137.8,24.55 137.2,25.15 132.8,25.15 132.15,24.5 132.15,23.7 131.8,23.35 130.65,23.35 128.8,23.35 128.45,23.7 128.45,26.9 129.35,27.8 132.75,27.8 134.5,29.55
GND on L1 [TOP] "L1_GND" (solid, remove dead copper, pour order 60): 127.85,30.3 128.55,29.6 128.55,28.15 127.65,27.25 119,27.25 118.3,27.95 118.3,29.85 118.75,30.3
PP5000 on L1 [TOP] "L1_PP5000" (solid, remove dead copper, pour order 67): 73.2,82.95 73.55,82.6 73.55,82.05 73.35,81.85 73.35,80.45 73,80.1 70.95,80.1 70.65,80.4 70.65,80.65 70.95,80.95 70.95,82.7 71.2,82.95
PP3300 on L1 [TOP] "L1_PP3300" (solid, remove dead copper, pour order 66): 72.35,79.6 71.769,79.6 71.5,79.331 71.5,78.725 71.4,78.625 71.4,77.901 71.35,77.851 71.35,76.25 72.75,74.85 76.55,74.85 76.8,75.1 76.8,75.5 76.1,76.2 75.1,76.2 74.5,76.8 73.7,76.8 73.4,77.1 73.4,79.25 73.05,79.6
PP5000 on L1 [TOP] "L1_PP5000" (solid, remove dead copper, pour order 43): 100.2,22.05 100.2,24.65 100.65,25.1 102.35,25.1 102.9,24.55 102.9,18.25 102.6,17.95 100.75,17.95 100.4,18.3 100.2,18.5
PP12000H_SYS on L1 [TOP] "L1_PP12000H" (solid, remove dead copper, pour order 56): 127.8,23.05 127.4,22.65 121.25,22.65 120.95,22.95 120.95,23.5 120.05,24.4 118.5,24.4 116.4,24.4 116.1,24.7 116.1,26.35 116.45,26.7 127.45,26.7 127.8,26.35
PP5000_SW on L1 [TOP] "L1_PP5000_SW" (solid, remove dead copper, pour order 57): 112.85,23.3 112.2,22.65 111.1,22.65 109.7,21.25 105.45,21.25 105.05,21.65 105.05,23.75 105.45,24.15 112.7,24.15 112.85,24
GND on L1 [TOP] "L1_GND" (solid, remove dead copper, pour order 59): 107.95,25.7 107.6,25.35 107.6,24.55 107.85,24.3 112.762,24.3 113.05,24.012 113.05,23.241 112.259,22.45 111.35,22.45 110.55,21.65 110.55,20.4 111,19.95 118.15,19.95 118.45,20.25 118.45,22.1 117.9,22.65 116.35,22.65 115.85,23.15 115.85,27.9 116.45,28.5 116.45,29.75 116.05,30.15 112.85,30.15 112.55,29.85 112.55,28.5 112.95,28.1 112.95,25.75 112.7,25.5 110.75,25.5 110.55,25.7
GND on L1 [TOP] "L1_GND" (solid, remove dead copper, pour order 62): 126.35,22.3 127.05,21.6 127.05,20.1 126.5,19.55 121.291,19.55 120.85,19.991 120.85,21.75 121.4,22.3
PP3300_PCIE_R on L1 [TOP] "L1_PP3300_PCIE_R" (solid, remove dead copper, pour order 46): 87.543,19.75 87.876,19.417 87.876,17.076 86.85,16.05 80.45,16.05 79.55,15.15 74.25,15.15 71.15,15.15 70.85,15.45 70.85,17.05 71.1,17.3 73.6,17.3 74.75,18.45 80.25,18.45 81.55,19.75
GND on L1 [TOP] "L1_GND" (solid, remove dead copper, pour order 55): 95.85,22.3 96.55,21.6 96.55,20.1 96,19.55 90.791,19.55 90.35,19.991 90.35,21.75 90.9,22.3
GND on L1 [TOP] "L1_GND" (solid, remove dead copper, pour order 54): 97.35,30.3 98.2,29.45 98.2,28.3 97.15,27.25 88.5,27.25 87.8,27.95 87.8,29.85 88.25,30.3
GND on L1 [TOP] "L1_GND" (solid, remove dead copper, pour order 53): 77.45,25.7 77.1,25.35 77.1,24.55 77.35,24.3 82.262,24.3 82.55,24.012 82.55,23.241 81.759,22.45 80.85,22.45 80.05,21.65 80.05,20.4 80.5,19.95 87.65,19.95 87.95,20.25 87.95,21.75 87.05,22.65 85.85,22.65 85.35,23.15 85.35,27.9 85.95,28.5 85.95,29.75 85.55,30.15 82.35,30.15 82.05,29.85 82.05,28.5 82.45,28.1 82.45,25.75 82.2,25.5 80.25,25.5 80.05,25.7
PP12000H_SYS_R on L1 [TOP] "L1_PP12000H_SYS_R" (solid, remove dead copper, pour order 52): 39.9,14.75 42.45,14.75 43.35,15.65 43.35,18.5 42.55,19.3 41.15,19.3 40.75,19.7 40.75,21.45 39.65,22.55 35.9,22.55 33.5,20.15 28.9,20.15 27.25,21.8 24.1,21.8 23.85,21.55 23.85,18.35 25.25,16.95 33.75,16.95 35.95,14.75
NetD701_1 on L1 [TOP] "L1_NetD900_1" (solid, remove dead copper, pour order 51): 20.4,27.2 21.05,26.55 21.05,24.1 21.8,23.35 23,23.35 23.6,22.75 23.6,18.55 22.95,17.9 18.85,17.9 17.9,18.85 17.9,21.35 16.65,22.6 13.9,22.6 12.95,23.55 12.95,26.5 13.65,27.2
PP12000H_IN1 on L1 [TOP] "L1_PP12000H_IN1" (solid, remove dead copper, pour order 50): 9.35,18.2 9.95,17.6 12.3,17.6 12.9,18.2 16.4,18.2 17.35,19.15 17.35,21.4 16.55,22.2 13.75,22.2 13,22.95 10.008,22.95 9.35,22.292
NetD703_1 on L1 [TOP] "L1_NetD901_1" (solid, remove dead copper, pour order 48): 149.6,20.1 150.35,19.35 150.35,17.55 149.55,16.75 137,16.75 136.2,17.55 136.2,22.1 136.75,22.65 141.25,22.65 143.8,20.1
PP12000H_IN2 on L1 [TOP] "L1_PP12000H_IN2" (solid, remove dead copper, pour order 47): 147.75,39.75 150,39.75 150.9,38.85 150.9,22.5 150.3,21.9 146.25,21.9 145.6,22.55 145.6,39 146.35,39.75
PP3300_PCIE_SW on L1 [TOP] "L1_PP3300_PCIE_SW" (solid, remove dead copper, pour order 45): 82.35,23.3 81.7,22.65 80.6,22.65 79.2,21.25 74.95,21.25 74.55,21.65 74.55,23.75 74.95,24.15 82.2,24.15 82.35,24
PP12000H_SYS on L1 [TOP] "L1_PP12000H" (solid, remove dead copper, pour order 44): 97.3,23.1 96.9,22.7 90.5,22.7 90.15,23.05 90.15,23.8 89.55,24.4 88,24.4 85.9,24.4 85.6,24.7 85.6,26.35 85.95,26.7 96.95,26.7 97.3,26.35
PP12000H_PCIE on L4 [BOT] "L4_PP12000H_PCIE" (solid, remove dead copper, pour order 79): 45.15,6.16 45.41,5.9 46.3,5.9 46.3,1.4 48,1.4 48.15,1.55 48.15,8.45 52.8,13.1 52.8,13.9 52.35,14.35 47.85,14.35 45.15,11.65
GND on L4 [BOT] "L4_GND" (solid, remove dead copper, pour order 84): 45,0 45,5.6 79.2,5.6 79.2,0 161.8,0 161.8,100 0,100 0,0
PP12000H_SYS on L4 [BOT] "L4_PP12000H_SYS" (solid, remove dead copper, pour order 61): 38.45,34.4 38.45,33.3 37.4,32.25 37.4,30.45 38.15,29.7 40.9,29.7 41.65,30.45 41.65,32 42.8,33.15 46.05,33.15 48.956,30.244 79.957,30.257 81.55,31.85 82.8,31.85 85.3,29.35 85.3,26.25 88.45,23.1 90.6,23.1 91,22.7 93.975,22.7 95.5,22.7 98.75,19.45 122.05,19.45 123.35,20.75 123.375,21.775 124.25,22.65 127.4,22.65 127.8,23.05 127.8,24.75 127.3,25.25 122.95,25.25 121,23.3 121,22.75 120.65,22.4 118.9,22.4 118.05,21.55 109.3,21.55 108.5,22.35 100.55,22.35 97.3,25.6 96.575,26.325 95.95,26.95 90.3,26.95 88.9,28.35 88.9,31.7 84.75,35.85 54.561,35.85 53.861,35.15 50.6,35.15 47.85,37.9 41.95,37.9
PP12000H_SYS_R on L4 [BOT] "L1_PP12000H_SYS_R" (solid, remove dead copper, pour order 63): 126.386,19.75 125.936,19.3 53.166,19.3 52.716,19.75 47.7,19.75 46.45,21 37.9,21 34.9,18 34.9,15.8 35.95,14.75 52.75,14.75 53.6,13.9 127.55,13.9 132.15,18.5 132.15,26.65 131,27.8 129,27.8 128.45,27.25 128.45,21.8 126.4,19.75
PP5000_USBC on L4 [BOT] "L4_PP5000_USBC" (solid, remove dead copper, pour order 74): 155,80.3 155.3,80.6 155.3,80.95 156,81.65 156,82.6 155.15,83.45 154.05,83.45 153.2,84.3 153.2,84.6 153.45,84.85 155.1,84.85 155.75,84.2 156.45,84.2 157.55,83.1 157.55,81 155.75,79.2 153.3,79.2 153.05,79.45 153.05,79.75 153.6,80.3
PP3300_PCIE on L4 [BOT] "L4_PP3300_PCIE" (solid, remove dead copper, pour order 78): 55.15,9.4 54.5,10.05 51.45,10.05 49.15,7.75 49.15,1.55 49.3,1.4 51,1.4 51.15,1.55 51.15,5.85 50.8,6.2 50.8,6.8 51,7 51.6,7 52.15,6.45 52.15,1.55 52.3,1.4 55,1.4 55.1,1.5 55.1,5.75 55.15,5.8
PP3300_PCIE on L4 [BOT] "L4_PP3300_PCIE" (solid, remove dead copper, pour order 73): 60.4,22.1 61.35,21.15 65.8,21.15 66,20.95 67.55,20.95 68.1,20.4 68.1,19.8 67.8,19.5 58.05,19.5 57.4,20.15 57.4,21.7 57.8,22.1
PP12000H_IN2 on L4 [BOT] "L4_PP12000H_IN2" (solid, remove dead copper, pour order 71): 145.6,19.75 146.25,19.1 150.15,19.1 150.9,19.85 150.9,38.85 150,39.75 146.35,39.75 145.6,39
PP12000H_IN1 on L4 [BOT] "L1_PP12000H_IN1" (solid, remove dead copper, pour order 70): 10,22.95 12.35,22.95 13.1,22.2 16.55,22.2 17.35,21.4 17.35,19.15 16.4,18.2 12.9,18.2 12.3,17.6 9.95,17.6 9.35,18.2 9.35,22.3
PP3300 on L4 [BOT] "L4_PP3300" (solid, remove dead copper, pour order 68): 76.1,76.2 76.8,75.5 76.8,73.9 76.5,73.6 73.8,73.6 73,74.4 73,75.75 73.45,76.2
PP5000 on L4 [BOT] "L4_PP5000" (solid, remove dead copper, pour order 65): 64.6,67.95 64.6,75.35 65.15,75.9 66.65,75.9 67.75,74.8 67.75,69.85 68.75,68.85 68.75,63.05 71.8,60 96.5,60 101.4,55.1 101.4,26.6 102.9,25.1 102.9,23.35 102.15,22.6 100.9,22.6 98.05,25.45 98.05,53.25 94.8,56.5 69.25,56.5 64.6,61.15
PP12000H_PCIE on L4 [BOT] "L4_PP12000H_PCIE" (solid, remove dead copper, pour order 64): 50.2,24.05 52.8,21.45 52.8,20.25 52.55,20 48.65,20 48.35,20.3 48.35,21.6 47.75,22.2 47.75,23.8 48,24.05
GND on L3 "L3_GND" (solid, remove dead copper, pour order 83): 45,0 45,5.6 79.2,5.6 79.2,0 161.8,0 161.8,100 0,100 0,0
GND on L2 "L2_GND" (solid, remove dead copper, pour order 82): 45,0 45,5.6 79.2,5.6 79.2,0 161.8,0 161.8,100 0,100 0,0

## Keep-outs
L1 [TOP]:
  circle w0.1: c57.05,46.4 r3.2
  circle w0.1: c105.05,46.4 r3.2
  circle w0.1: c105.05,79.4 r3.2
  circle w0.05: c57.05,79.4 r3.2
  rectangle: 103.75,18.65 110.15,21
  rectangle: 73.25,18.65 79.65,21
  lines w0.05: 0.9,19.5 0.9,5.65 1.15,5.4 13.9,5.4 14.05,5.55 14.05,12.55 15.15,13.65 33.2,13.65 34.253,12.597 34.253,5.547 34.4,5.4 40.341,5.4 40.463,5.522 40.463,12.113 42,13.65 44.35,13.65 45.515,12.485 45.515,12.265 45.25,12 45.1,12 ; 0.9,21.25 0.9,98.95 1.05,99.1 28.7,99.1 28.8,99 29,99 30.9,97.1 43.6,97.1 45.386,98.886 45.755,99.1 160.8,99.1 160.9,99 160.9,14.05 160.55,13.7 78.791,13.7 78.272,13.181 78.272,7.428 78.5,7.2 78.8,7.2 ; 1.002,19.598 ccw(c2,20.35) 1.002,21.102
  lines w0.1: 20.7,36.5 20.7,37.25 ; 76.9,24.45 76.9,25.45 77,25.55 77,28.25 ; 80.805,29.945 82.047,29.945 82.452,30.35 85.7,30.35 86.134,29.916 87.016,29.916 ; 87.443,77.476 88.033,76.885 88.5,76.885 ; 89.4,19.8 89.4,23.8 ; 107.4,24.45 107.4,25.45 107.5,25.55 107.5,28.25 ; 111.2,30.05 112.4,30.05 112.7,30.35 116.2,30.35 116.5,30.05 117.65,30.05 ; 119.9,19.8 119.9,23.95
L2:
  circle w0.05: c2,20.35 r1.25
  circle w0.1: c105.05,46.4 r2.4
  circle w0.1: c57.05,46.4 r2.4
  circle w0.1: c57.05,79.4 r2.4
  circle w0.1: c105.05,79.4 r2.4
L3:
  circle w0.05: c2,20.35 r1.25
  circle w0.1: c105.05,46.4 r2.4
  circle w0.1: c57.05,46.4 r2.4
  circle w0.1: c57.05,79.4 r2.4
  circle w0.1: c105.05,79.4 r2.4
L4 [BOT]:
  circle w0.1: c105.05,46.4 r2.4
  circle w0.1: c57.05,46.4 r2.4
  circle w0.1: c105.05,79.4 r2.4
  circle w0.1: c57.05,79.4 r2.4
  lines w0.05: 0.9,19.5 0.9,5.65 1.15,5.4 13.9,5.4 14.05,5.55 14.05,12.55 15.15,13.65 33.2,13.65 34.253,12.597 34.253,5.547 34.4,5.4 40.341,5.4 40.463,5.522 40.463,12.113 42,13.65 44.35,13.65 45.515,12.485 45.515,12.265 45.25,12 45.1,12 ; 0.9,21.25 0.9,98.95 1.05,99.1 28.7,99.1 28.8,99 29,99 30.9,97.1 43.6,97.1 45.386,98.886 45.755,99.1 160.8,99.1 160.9,99 160.9,14.05 160.55,13.7 78.791,13.7 78.272,13.181 78.272,7.428 78.5,7.2 78.8,7.2 ; 1.002,19.598 ccw(c2,20.35) 1.002,21.102
Keep-Out Layer:
  circle w0.05: c121.76,42.33 r1
  circle w0.05: c33.3,94 r1
  circle w0.05: c41.3,94 r1
  circle w0.05: c138.9,97.3 r0.8
  circle w0.05: c135.9,97.3 r0.8
  circle w0.05: c155.282,37.2 r1.9
  circle w0.05: c155.282,28.8 r1.9
  circle w0.05: c155.575,84.89 r0.45
  circle w0.05: c155.575,79.11 r0.45
  circle w0.05: c9,86.465 r2.1
  circle w0.05: c9,75.035 r2.1

## Silkscreen, mask and mechanical layers (free items; w line width, h text height)
Silk [TOP]:
  drawing of 116 lines, arcs and shapes, not listed
  text "LITE" at 107.5,96.1 h1.5
  text "OS BOOT" at 145.25,94.7 h1 r90
  text "GEN1 (2022/11)" at 73.9,94.55 h2
  text "USE \"USB-C\" / POS. TO ENTER / FLASH MODE" at 116.65,94.35 h0.8
  text "USB-C" at 132.7,94.25 h1 r90
  text "STD" at 107.5,93.9 h1.5
  text "USE ONLY FOR CM4 LITE (WITHOUT eMMC)" at 48.05,92.45 h1
  text "BOOT SELECT" at 132.9,92.2 h1.5
  text "FAN #1" at 115.782,90 h1.5
  text "USB 2.0" at 154.55,87.3 h1.5
  text "5V" at 116.9,84.35 h1
  text "MicoSD slot" at 27.5,84.1 h1.7 r90
  text "39" at 103.95,82.9 h1
  text "1" at 55.95,82.8 h1
  text "CM4 PWR" at 153.8,70.7 h1.5
  text "Gigabit Ethernet" at 0.9,69.55 h1.7
  text "CM4 ACT" at 153.8,68.5 h1.5
  text "USR1" at 153.8,66.25 h1.5
  text "USR2" at 153.8,64.1 h1.5
  text "12V IN1" at 153.8,57.95 h1.5
  text "12V IN2" at 153.8,55.75 h1.5
  text "12V SYS" at 153.8,53.55 h1.5
  text "12V PCIe" at 153.8,51.35 h1.5
  text "HDMI #0" at 0.9,49.7 h1.7
  text "FAN #2" at 116.175,49.4 h1.5
  text "5V SYS" at 153.8,49.15 h1.5
  text "3.3V PCIe" at 153.8,46.9 h1.5
  text "2x USB 2.0" at 0.9,46.8 h1.7
  text "12V/8A  IN#2" at 149.8,40.824 h1.7
  text "5V" at 116.2,36.55 h1.5
  text "12V" at 119.45,36.55 h1.5
  text "RASPBERRY PI CM4 MODULE" at 48.05,32.45 h1.5
  text "10A" at 13.15,26.8 h1
  text "Do not plug into your motherboard PC" at 46.25,26.75 h3
  text "12V/8A  IN#1" at 0.9,26.374 h1.7
  text "10A" at 145.953,15.198 h1
  text "TIP: +V" at 12.6,13.7 h1
  text "10A" at 42.053,13.348 h1
  text "PCIe x4 (PCIe x1 Gen2 only)" at 46,9.3 h2.8
  text "B1" at 47.45,7.25 h1
  text "B32" at 73.575,7.25 h1
Silk [BOT]:
  drawing of 184 lines, arcs and shapes, not listed
  text "ENGINEERING SAMPLE / NOT FOR SALE" at 95.732,92.643 h3
  text "PP3300_SD" at 35.399,77.9 h0.9
  text "PP1800" at 67.6,74 h0.9
  text "PP3300" at 73.4,71.4 h0.9
  text "PP5000" at 67.35,68.25 h0.9
  text "PP5000_HDMI" at 22.098,62.25 h0.9
  text "PP12000H_IN2" at 159.898,46 h0.9
  text "PP5000_VBUS" at 32,36.9 h0.9
  text "GND" at 25.15,32.6 h0.9
  text "PP12000H_SYS" at 44.7,27.1 h0.9
  text "Concept/Idea: Jeff Geerling (https://github.com/geerlingguy/pi4gpu) /  / HW/PCB Design: Miroslaw Folejewski (https://twitter.com/Mirko_DIY)" at 113.35,26.1 h2.2
  text "PP12000H_IN1" at 20.5,22.8 h0.9
  text "GND" at 162.307,20.126 h0.9
  text "PP12000H_IN2" at 147.398,18.1 h0.9
  text "PP12000H_PCIE" at 50.75,14.75 h0.9
  text "PP3300_PCIE" at 61.3,10.2 h0.9
  text "A1" at 49.85,7.25 h1
  text "A32" at 76.75,7.25 h1
Solder [TOP]:
  rectangle: 58.1,0 79.2,5.65
  rectangle: 45,0 56.2,5.65
Solder [BOT]:
  region: 79.2,5.65 58.1,5.65 58.1,0 79.2,0
  region: 56.2,5.65 45,5.65 45,0 56.2,0
M01 BoardOutline:
  the board outline again, w0.1
M14 CADImport:
  circle w0.1: c155.2,94.75 r4
  circle w0.1: c155.2,17.6 r4
  circle w0.1: c7.5,9.35 r4
  circle w0.1: c7.5,94.75 r4
  lines w0.05: 0,111.15 22.8,111.15 ; 44,5.6 81,5.6 ; 45,8.89 79.2,8.89 ; 57.15,-3.9 57.15,8.05
  lines w0.1: -1.9,4.5 -1.9,100 ; -1,4.5 -1,100
  lines w0.2: -1,0 0,0 ; 0,-1 0,0 ; 0,1 0,0 ; 0,52.25 161.8,52.25 ; 1,0 0,0 ; 6.5,9.35 7.5,9.35 ; 6.5,94.75 7.5,94.75 ; 7.5,8.35 7.5,9.35 ; 7.5,10.35 7.5,9.35 ; 7.5,93.75 7.5,94.75 ; 7.5,95.75 7.5,94.75 ; 8.5,9.35 7.5,9.35 ; 8.5,94.75 7.5,94.75 ; 80.9,12.75 80.9,100 ; 154.2,17.6 155.2,17.6 ; 154.2,94.75 155.2,94.75 ; 155.2,16.6 155.2,17.6 ; 155.2,18.6 155.2,17.6 ; 155.2,93.75 155.2,94.75 ; 155.2,95.75 155.2,94.75 ; 156.2,17.6 155.2,17.6 ; 156.2,94.75 155.2,94.75
M15 Reserved:
  circle w0.05: c52.05,38.4 r1.35
  circle w0.05: c52.05,38.4 r3
  circle w0.05: c110.05,38.4 r1.35
  circle w0.05: c110.05,38.4 r3
  circle w0.05: c105.05,46.4 r3
  circle w0.05: c105.05,46.4 r1.85
  circle w0.05: c57.05,46.4 r3
  circle w0.05: c57.05,46.4 r1.85
  circle w0.05: c52.05,87.4 r1.35
  circle w0.05: c52.05,87.4 r3
  circle w0.05: c105.05,79.4 r1.85
  circle w0.05: c110.05,87.4 r1.35
  circle w0.05: c110.05,87.4 r3
  circle w0.05: c57.05,79.4 r3
  circle w0.05: c57.05,79.4 r1.85
  circle w0.05: c105.05,79.4 r3
M17 3DBodyTop:
  lines w0.2: -9.8,70.05 -1.9,70.05 -1.9,50.05 -9.7,50.05 ; -8.9,48 -1,48 -1,28 -8.8,28 ; -8.8,30 -1,30 ; -8.8,46 -1,46 ; 28.35,87.6 44.35,87.6
  lines w0.5: -11,16.35 -1,16.35 -1,24.35 -11,24.35

## Dimensions
0,100 to 45.5,0 on M10 Dimensions
0,100 to 161.8,100 on M10 Dimensions

## Text inside footprints (layer, text, board x,y; h text height)
J200: M17 3DBodyTop "PCB Edge" at 162.95,79.8 h0.61 r90
J250: M17 3DBodyTop "PCB Edge" at -2.22,40.2 h0.81 r270
J350: M17 3DBodyTop "PCB Edge" at -2.755,62.039 h0.61 r270
PCB900: L4 [BOT] "4" at 25.25,96.05 h1.5; L3 "3" at 22.65,96 h1.5; L2 "2" at 20.128,96.063 h1.5; L1 [TOP] "1" at 17.817,96.063 h1.5